# Allegro board nu_2000_main_211102_02.brd (continued)
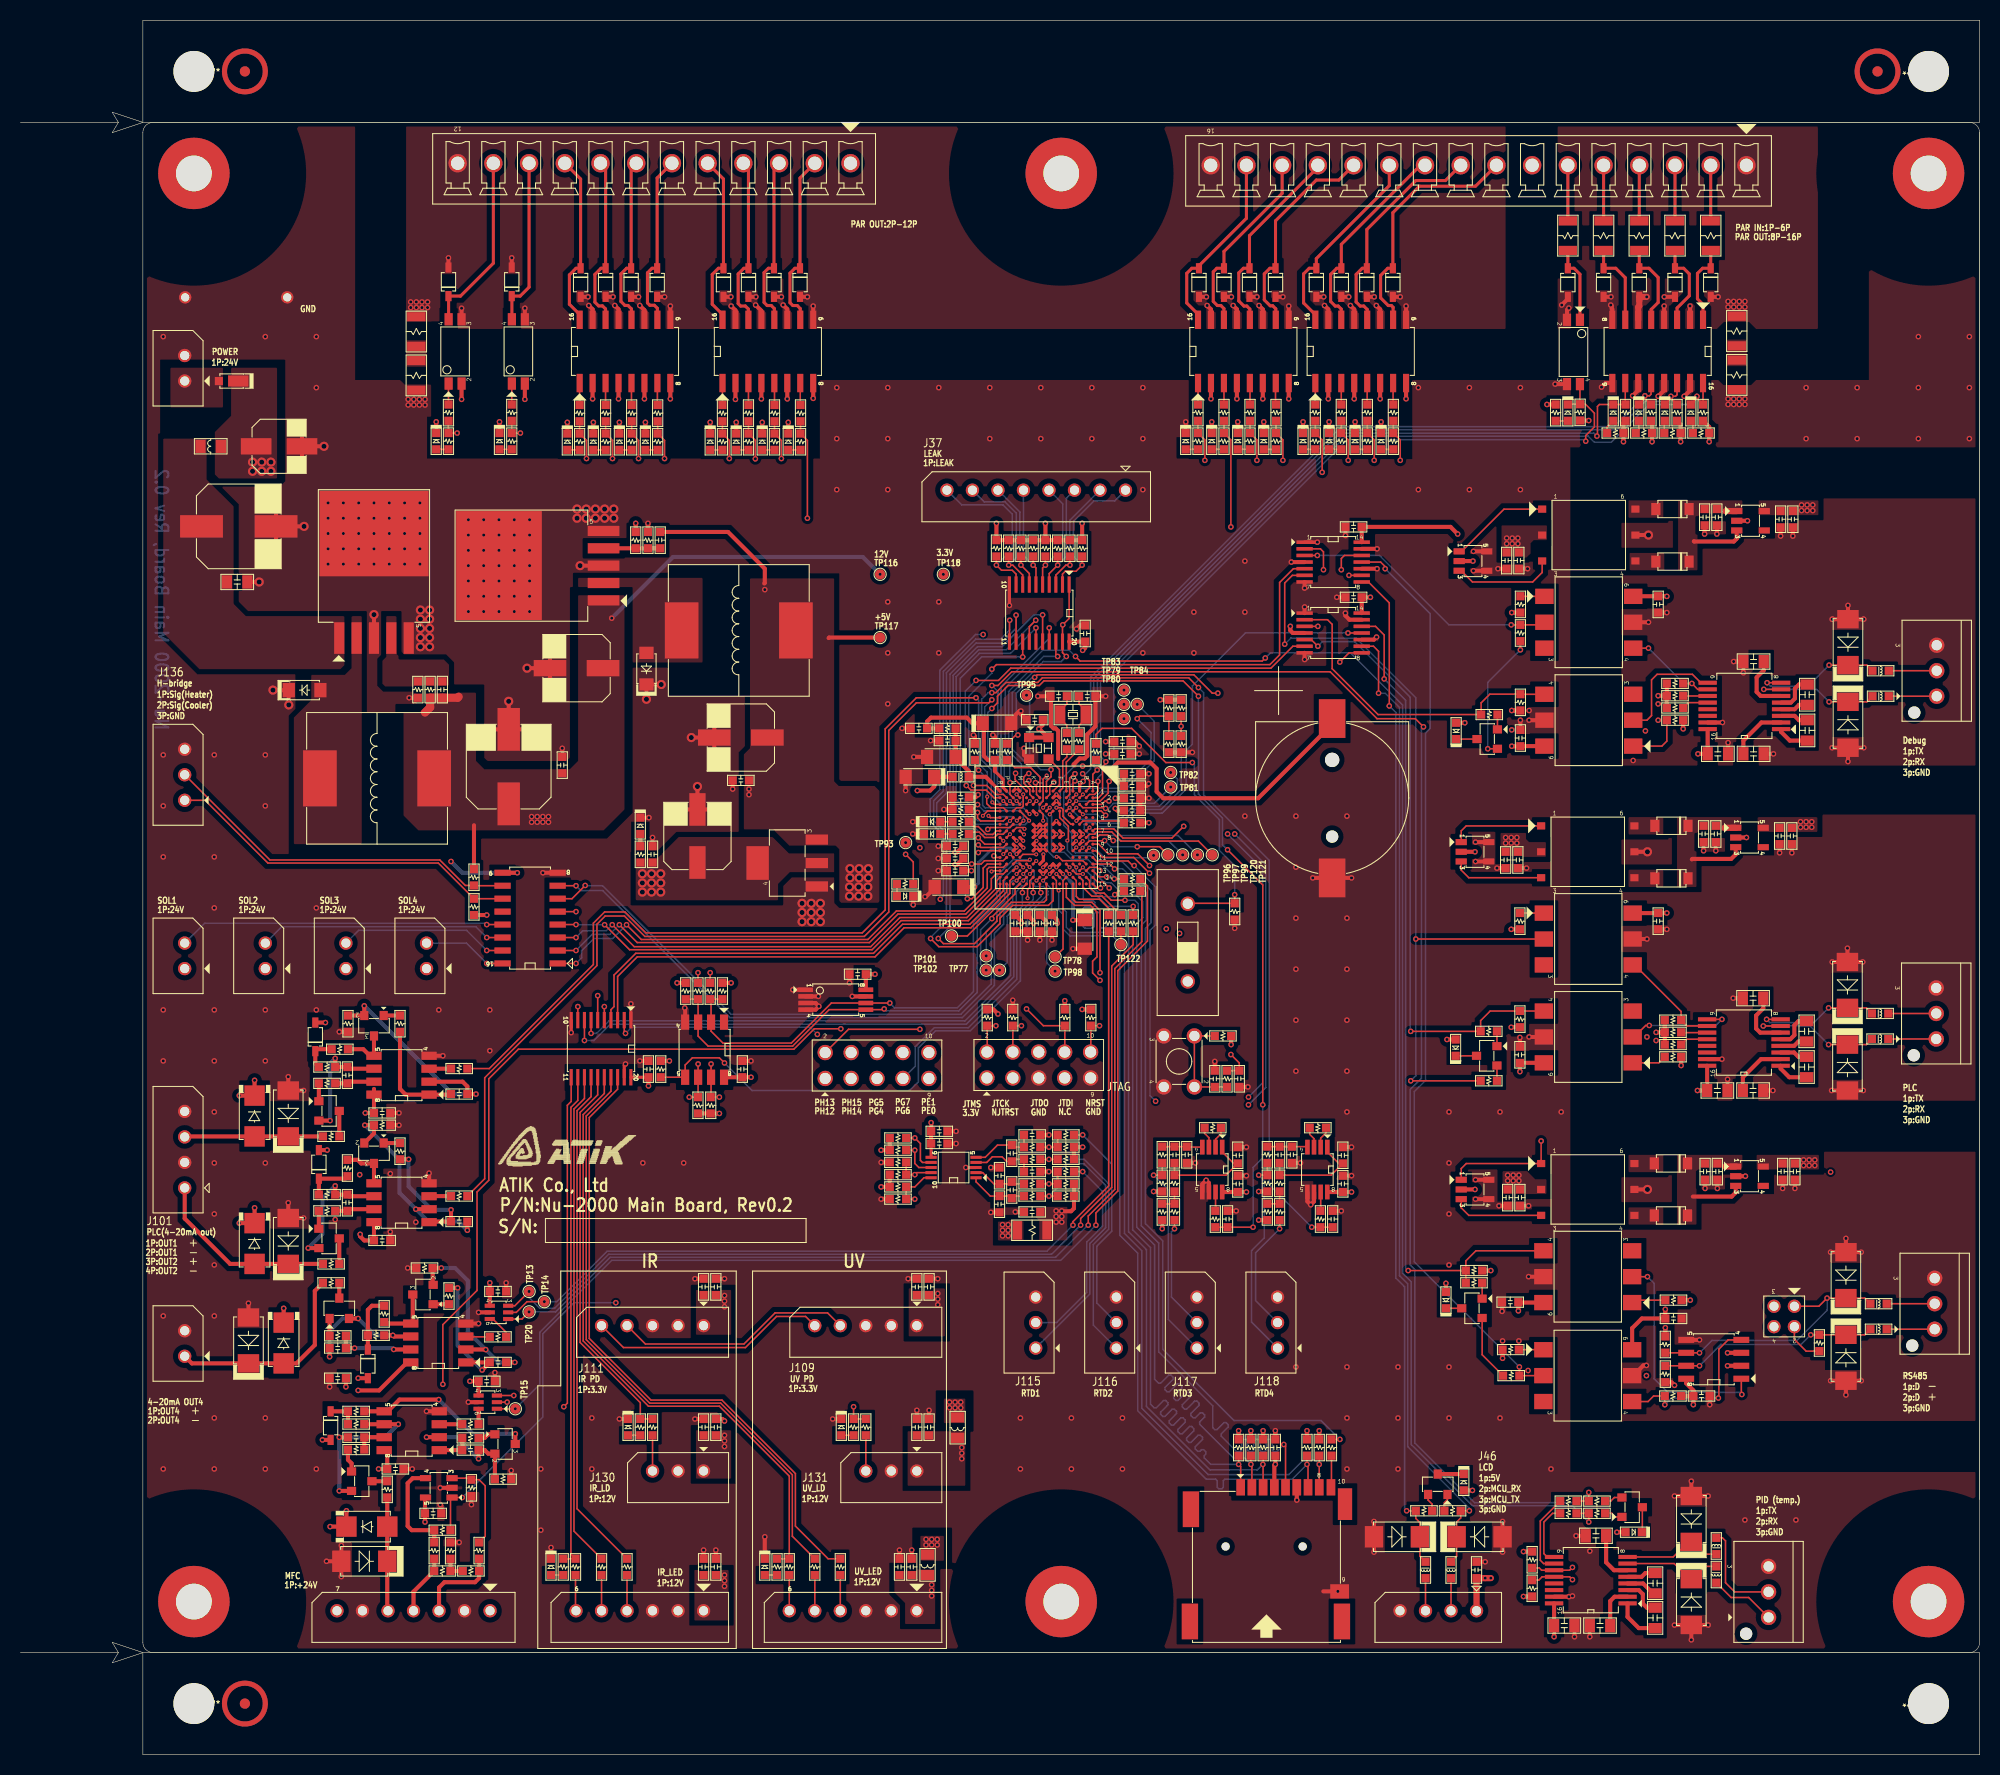
[diagram p0: board, top side]
## Routing (per net, layer and track width the routed paths; a pad name or vN(x,y) marks a point on that pad's centre or on a via; arc(x,y) is an arc through that point) (continued)
VDDA: length 8.9
  TOP w0.3: 95.15,95.3 U1.R1
  TOP w0.4: 95.15,95.3 94.6,95.85 L1.2 92.95,96.4 91.65,97.7 C11.1 C24.2 R12.1
B_PAR_IN_0: length 5.5
  TOP w0.3: R407.2 J52.2
B_PAR_IN_1: length 5.5
  TOP w0.3: R408.2 J52.3
B_PAR_IN_2: length 5.5
  TOP w0.3: R409.2 J52.4
B_PAR_IN_3: length 5.5
  TOP w0.3: R410.2 J52.5
B_PAR_IN_4: length 5.5
  TOP w0.3: R411.2 J52.6
B_PAR_IN_COM: length 12
  TOP w0.4: v1(151.05,142.1) 151.65,142.7 D125.1 ; U42.8 156,141.68 155.95,141.73 155.95,142 v1(155.85,142.1) ; U42.2 v1(163.62,142) ; U42.4 v1(161.09,142) ; v1(161.1,142.9) D122.1 ; v1(166.38,142.9) D121.1 ; v1(151.75,141.8) 151.56,141.62 U73.2 ; v1(155.88,142.9) D124.1
  TOP w0.6: v1(159.38,142.9) D123.1 158.65,142 158.54,141.9 U42.6
  vias: v1(167.35,142.45) v1(167.35,141.9) v1(167.9,142.45) v1(167.9,141.9) v1(168.45,142.45) v1(168.45,141.9) v1(169,142.45) v1(169,141.9)
B_PAR_OUT_0: length 24
  TOP w0.3: U45.10 134.53,141.88 134.35,142.05 134.05,142.05 133.3,142.8 133.3,145 134,145.7 D129.2 134.5,151.15 137.1,153.75 142.6,153.75 J52.8
B_PAR_OUT_1: length 22
  TOP w0.3: J52.9 139.65,154.3 136.75,154.3 131.95,149.5 D128.2 131.5,145.7 130.9,145.1 130.9,142.4 131.3,142 131.65,142 131.99,141.66 U45.12
B_PAR_OUT_2: length 20.1
  TOP w0.3: J52.10 137.2,155.8 129.45,148.05 D127.2 129,145.7 128.4,145.1 128.4,142.45 128.85,142 129.14,142 129.44,141.7 U45.14
B_PAR_OUT_3: length 19.5
  TOP w0.3: J52.11 134.15,153.8 127,146.65 D126.2 126.3,145.7 125.75,145.15 125.75,142.3 126.91,141.15 U45.16
B_PAR_OUT_4: length 21.7
  TOP w0.3: 123.03,139.97 U46.10 123.03,141.73 122.72,142.03 122.47,142.03 121.9,142.6 121.9,145.15 122.45,145.7 D133.2 123,150.35 127,154.35 129.2,154.35 J52.12
B_PAR_OUT_5: length 20
  TOP w0.3: 120.48,139.97 U46.12 120.48,141.7 120.19,142 119.9,142 119.4,142.5 119.4,145.25 119.85,145.7 D132.2 120.45,148.9 127.15,155.6 J52.13
B_PAR_OUT_6: length 19.7
  TOP w0.3: 117.94,139.97 U46.14 117.94,141.75 117.64,142.05 117.3,142.05 116.9,142.45 116.9,145.35 117.25,145.7 D131.2 117.95,147.35 123.65,153.05 J52.14
B_PAR_OUT_7: length 19.1
  TOP w0.3: J52.15 120.15,150.6 115.5,145.95 D130.2 114.8,145.7 114.3,145.2 114.3,142.3 115.41,141.19 U46.16 115.41,139.97
B_PAR_OUT_8: length 18
  TOP w0.3: J53.2 76.4,154.55 D137.2 75.9,145.7 75.42,145.22 75.42,142.33 75.7,142.05 76.12,142.05 76.42,141.75 U47.10 76.42,139.97
B_PAR_OUT_9: length 17.6
  TOP w0.3: 73.88,139.97 U47.12 73.88,141.75 73.59,142.05 73.18,142.05 72.88,142.35 72.88,145.28 73.3,145.7 D136.2 73.85,155.5 J53.3
B_PAR_OUT_10: length 17.6
  TOP w0.3: 71.34,139.97 U47.14 71.34,141.7 71.05,142 70.58,142 70.34,142.24 70.34,145.14 70.9,145.7 D135.2 71.35,155.5 J53.4
B_PAR_OUT_11: length 17.8
  TOP w0.3: J53.5 68.9,154.45 D134.2 68.4,145.7 67.8,145.1 67.8,142.18 68.81,141.17 U47.16 68.81,139.97
B_PAR_OUT_12: length 18
  TOP w0.3: 62.42,139.97 U48.10 62.42,141.78 62.12,142.08 61.68,142.08 61.45,142.31 61.45,145.25 61.9,145.7 D141.2 62.4,154.55 J53.6
B_PAR_OUT_13: length 17.5
  TOP w0.3: 59.88,139.97 U48.12 59.88,141.72 59.54,142.06 59.24,142.06 58.85,142.45 58.85,145.15 59.4,145.7 D140.2 59.85,155.5 J53.7
B_PAR_OUT_14: length 17.6
  TOP w0.3: J53.8 57.35,155.5 D139.2 56.9,145.7 56.3,145.1 56.3,142.38 56.66,142.01 57.05,142.01 57.34,141.71 U48.14 57.34,139.97
B_PAR_OUT_15: length 17.8
  TOP w0.3: 54.8,139.97 U48.16 54.8,141.17 53.8,142.18 53.8,145.05 54.45,145.7 D138.2 54.9,154.45 J53.9
B_PAR_OUT_16: length 16.5
  TOP w0.3: U123.4 48.16,142.96 D143.2 48.98,142.97 49.85,143.85 J53.10
B_PAR_OUT_17: length 17.8
  TOP w0.3: J53.11 46.35,146.2 43.12,142.97 D142.2 41.97,142.96 U122.4
B_PAR_OUT_COM: length 39.9
  TOP w0.4: 130.72,140.65 130.72,141.68 v1(130.34,142.05) ; v1(127.72,142.9) D126.1 ; v1(69.65,142) 70.08,141.57 U47.15 ; U47.9 v1(77.69,142) ; D135.1 v1(72.08,142.9) ; D136.1 v1(74.58,142.9) ; v1(127.8,142.05) 128.18,141.68 U45.15 ; U47.11 75.16,141.69 v1(74.75,142.1) ; 119.22,140.65 119.22,141.69 v1(118.85,142.05) ; U46.15 116.67,141.68 v1(116.3,142.05) ; v1(55.62,142.9) D138.1 ; 135.8,140.65 v1(135.8,142) ; v1(116.22,142.9) D130.1 ; D137.1 v1(77.12,142.9) ; U48.11 61.16,141.59 v1(60.7,142.05) ; v1(118.67,142.9) D131.1 ; v1(58.25,142.05) 58.62,141.69 U48.13 ; v1(72.05,142.1) 72.62,141.53 U47.13 ; U45.11 133.25,141.68 v1(132.88,142.05) ; D139.1 v1(58.08,142.9) ; U46.11 121.75,141.68 v1(121.38,142.05) ; D134.1 v1(69.62,142.9) ; D141.1 v1(63.12,142.9) ; v1(121.17,142.9) D132.1 ; D143.1 v1(48.15,146.72) ; D142.1 v1(41.95,146.72) ; U48.15 56.08,141.68 v1(55.7,142.05) ; 124.3,140.65 v1(124.3,142) ; U48.9 v1(63.7,142) ; 49.44,140.7 v1(49.44,141.78) ; v1(132.68,142.9) D128.1 ; U122.3 v1(43.23,141.78) ; v1(130.18,142.9) D127.1 ; v1(135.22,142.9) D129.1 ; D140.1 v1(60.58,142.9) ; v1(123.72,142.9) D133.1
  vias: v1(38.25,142.4) v1(38.25,141.85) v1(38.8,142.4) v1(38.8,141.85) v1(39.35,142.4) v1(39.35,141.85) v1(39.9,142.4) v1(39.9,141.85)
BOOT0: length 9.9
  TOP w0.15: v2(101.53,92.83) 102,92.83 102.17,92.65 102.17,91.97 102.95,91.2 U1.D6 ; v1(104.1,96.9) 104.8,96.9 R8.2
  BOTTOM w0.15: v2(101.53,92.83) 101.9,93.2 101.9,95.5 103.4,97 104,97 v1(104.1,96.9)
BOOT1: length 7.1
  TOP w0.15: R9.2 93.33,92.65 v1(93.8,93.12) ; U1.M6 v2(98.3,91.55)
  BOTTOM w0.15: v2(98.3,91.55) 98.3,92.2 98,92.5 94.42,92.5 v1(93.8,93.12)
BYPASS_REG: length 10.1
  TOP w0.15: U1.L4 v2(98.9,92.2) ; R7.1 93.55,96.85 v1(93.9,96.5)
  BOTTOM w0.15: v1(93.9,96.5) 94.3,96.1 94.3,93.05 94.55,92.8 98.3,92.8 v2(98.9,92.2)
C420_IN1_VTG: length 147.4
  TOP w0.15: v1(43.3,25.2) U78.1 42.15,25.05 R383.2 ; U1.L1 97.47,95.58 97.47,96.15 v1(97.53,96.2)
  L3-INT1 w0.15: v1(97.53,96.2) 97.53,97.08 94.35,100.25 v1(94.35,109.8) ; v1(90.15,83.85) 88.45,85.55 87.55,85.55 84.3,88.8 74.2,88.8 58.75,73.35 58.75,44.7 v1(58.35,44.3)
  BOTTOM w0.15: v1(90.15,83.85) 90.45,84.15 90.45,90.15 89.15,91.45 89.15,93.65 90.1,94.6 90.1,106.3 93.6,109.8 v1(94.35,109.8) ; v1(43.3,25.2) 51.2,33.1 51.2,41.25 54.25,44.3 v1(58.35,44.3)
C420_OUT1_VTG: length 108.3
  TOP w0.15: R223.1 45.5,56.45 45.5,66.35 56.5,77.35 56.5,81.4 57.3,82.2 59.2,82.2 61.2,80.2 82.7,80.2 85.1,82.6 85.1,100.4 87.8,103.1 94.9,103.1 v1(95.2,103.4) ; v2(98.28,94.12) 98.28,92.97 98.12,92.83 97.62,92.83 U1.N4
  BOTTOM w0.15: v1(95.2,103.4) 94.5,102.7 94.5,97.7 95.45,96.75 95.45,93.8 96.15,93.1 97.85,93.1 98.28,93.53 v2(98.28,94.12)
C420_OUT2_VTG: length 92.5
  TOP w0.15: R231.1 45.95,67.25 56.15,77.45 56.15,81.5 57.25,82.6 59.25,82.6 61.3,80.55 82.5,80.55 84.75,82.8 84.75,100.55 87.8,103.6 v1(93.65,103.6) ; U1.P4 96.33,92.83 95.1,92.83 94.7,93.22 94.7,93.85 v2(94.75,93.9)
  BOTTOM w0.15: v2(94.75,93.9) 94.75,96.3 93.9,97.15 93.9,103.35 v1(93.65,103.6)
E_STOP: length 11.4
  TOP w0.15: R35.1 v1(98.05,116.6) 98.88,115.78 U7.7
  BOTTOM w0.15: v1(98.05,116.6) 97.95,116.7 97.95,121.8 J37.6
FGND1: length 22.5
  TOP w0.4: U106.15 v1(166.8,101.17) ; C235.1 v1(172.5,119.45) ; C234.1 v1(166.25,119.65) ; D83.1 v1(177.55,98.7) ; D83.1 v1(180.65,98.7) ; D83.1 v1(179.1,97.35) ; C213.2 v1(167.35,99.2) ; D84.1 v1(180.6,111.3) v1(180.65,111.3) ; D84.1 v1(179.1,112.65) ; D84.1 v1(177.6,111.3) v1(177.55,111.3) ; C238.1 v1(161.35,111.95) ; v1(168.85,106.05) C214.1 v1(167.9,107.15) ; U111.2 v1(169.25,120.95) ; C236.1 v1(173.7,119.45) ; C237.1 v1(165.05,119.65) ; U112.5 v1(159.55,111) ; C215.1 v1(171.8,98.1) ; T1.5 v3(159.55,119.55)
  vias: v1(158.05,97.45) v1(159.25,100.35) v1(160.5,103) v1(160.5,101.4) v1(177.4,57.1)
FGND2: length 19.9
  TOP w0.4: D86.1 v1(177.55,77.7) ; D86.1 v1(179.05,79.05) ; D86.1 v1(180.55,77.7) ; U114.2 v1(169.15,89.9) ; C225.1 v1(167.85,74.15) ; U109.15 v1(166.75,68.17) ; C243.1 v1(161.35,80.9) ; C226.1 v1(171.75,65.1) ; C224.2 v1(167.3,66.2) ; C240.1 v1(164.95,88.6) ; C246.1 v1(173.6,88.4) ; v1(177.5,65.1) D85.1 v1(180.6,65.1) ; C241.1 v1(166.15,88.6) ; T2.5 v3(159.45,88.5) ; C242.1 v1(172.4,88.4) ; U116.5 v1(159.4,79.95)
  vias: v1(159.4,70.35) v1(160.3,70)
FGND3: length 19.4
  TOP w0.4: C251.1 v1(172.7,55.5) ; v1(162.1,36.2) 161.8,36.5 R430.1 ; C250.1 v1(173.9,55.5) ; C248.1 v1(165.1,55.5) ; D92.1 v1(178.9,35.25) ; D92.1 v1(180.4,36.65) ; D92.1 v1(177.4,36.65) ; T3.5 v3(159.45,55.4) ; D93.1 v1(180.4,49.25) ; D93.1 v1(178.9,50.6) ; D93.1 v1(177.4,49.25) ; C190.1 v1(165.55,34.3) ; v1(159.35,38.15) 159.05,38.15 158.05,37.15 U120.5 ; U118.2 v1(169.05,56.7) ; U86.5 v1(164.55,40.66) ; C249.1 v1(166.3,55.5)
H-BRIDGE_SIG1B: length 61.3
  TOP w0.15: U1.M14 v2(97.62,85.67) ; U14.6 54.05,83.91 v1(55.35,85.2)
  BOTTOM w0.15: v2(97.62,85.67) 97.28,85.67 96.75,85.15 96.75,83.45 96,82.7 96,81.5 95.13,80.63 95.13,75.53 92.17,72.57 69.65,72.57 57.04,85.17 55.35,85.17 v1(55.35,85.2)
H-BRIDGE_SIG2B: length 61.4
  TOP w0.15: U1.L14 v2(98.28,85.67) ; U14.7 v1(54.45,85.17)
  BOTTOM w0.15: v2(98.28,85.67) 98.17,85.67 97.25,84.75 97.25,83.45 96.35,82.55 96.35,81.4 95.45,80.5 95.45,75.4 92.3,72.25 69.52,72.25 57.07,84.7 54.92,84.7 v1(54.45,85.17)
I2C3_EN: length 58.6
  TOP w0.15: U1.L12 v2(98.9,87) ; v1(69,67.8) 68.5,68.3 65.85,68.3 65.15,67.59 U126.5 R484.2
  BOTTOM w0.15: v1(69,67.8) 71.7,65.1 87.15,65.1 88,65.95 88,69.28 89.67,70.95 93.1,70.95 98,75.85 98,80.55 98.7,81.25 98.7,82.3 100.7,84.3 100.7,84.65 100.25,85.1 99.45,85.1 99.05,85.5 99.05,85.8 99.35,86.1 99.35,86.55 v2(98.9,87)
I2C3_SCL: length 51
  TOP w0.15: R19.1 R491.2 67.69,73.97 U126.2 67.69,70.91 68.85,69.75 75.55,69.75 79.47,73.67 U3.6 v1(85.2,73.67) ; U1.N12 97.62,87.62 98.83,87.62 v2(98.92,87.72)
  BOTTOM w0.15: v1(85.2,73.67) 85.67,73.2 91.8,73.2 93.4,74.8 93.4,81.6 95.7,83.9 95.7,86.15 97.28,87.72 v2(98.92,87.72)
I2C3_SDA: length 50.6
  TOP w0.15: v2(98.28,86.97) U1.M12 ; R20.1 R492.2 66.41,74.03 U126.3 66.41,70.43 67.4,69.45 75.67,69.45 79.25,73.03 U3.5 84.58,73.03 v1(84.65,73.1)
  BOTTOM w0.15: v1(84.65,73.1) 84.85,72.9 91.95,72.9 93.75,74.7 93.75,81.5 96,83.75 96,86 97.4,87.4 97.85,87.4 v2(98.28,86.97)
IR_LD_ONOFF: length 56.2
  TOP w0.15: U125.9 v1(54.62,73.33) ; v2(94.33,92.03) 94.33,92.05 94.78,92.5 U1.R4
  L3-INT1 w0.15: v2(94.33,92.03) 94.35,92 94.35,87.15 93.35,86.15 87.9,86.15 84.65,89.4 73.8,89.4 58.2,73.8 55.1,73.8 v1(54.62,73.33)
IR_LED_CUR_SEL1: length 52.4
  TOP w0.15: U1.M7 98.3,90.2 v2(98.35,90.2) ; v1(56.58,74.4) 56.58,72
  L3-INT1 w0.15: v1(56.58,74.4) 58.3,74.4 73.6,89.7 84.8,89.7 85.6,88.9 v1(88.15,88.9)
  L4-INT2 w0.15: v1(88.15,88.9) 89.65,90.4 94.25,90.4 94.45,90.2 96.3,90.2 96.7,89.8 97.2,89.8 97.6,90.2 v2(98.35,90.2)
IR_LED_CUR_SEL2: length 54.4
  TOP w0.15: v1(98.2,84.5) 98.2,84.95 U1.L15 ; U125.7 v1(55.92,70.7)
  BOTTOM w0.15: v1(98.2,84.5) 98.2,83.2 97.03,82.03 97.03,76.38 92.57,71.92 57.67,71.92 56.45,70.7 v1(55.92,70.7)
IR_LED_ONOFF: length 56.6
  TOP w0.15: U1.K15 v1(99.25,84.5) ; v1(55.27,70) U125.8
  BOTTOM w0.15: v1(99.25,84.5) 99.25,83.8 97.35,81.9 97.35,76.25 92.7,71.6 57.8,71.6 56.2,70 v1(55.27,70)
LEAK: length 15.2
  TOP w0.15: R40.1 v1(104.05,116.6) 103.45,116 102.4,116 102.12,115.72 U7.2
  BOTTOM w0.15: J37.1 107.25,122.9 105.2,122.9 103.2,120.9 103.2,117.45 v1(104.05,116.6)
LED GR: length 3.7
  TOP w0.15: U1.R7 95.65,90.55 95.3,90.2 94.65,90.2 93.88,90.97 93.42,90.97 R10.1
LED_RED: length 4.3
  TOP w0.15: U1.P7 96.33,90.22 95.78,90.22 95.45,89.9 94.5,89.9 93.97,90.42 93.12,90.42 R11.1
LED_YL: length 15
  TOP w0.15: R255.1 87.5,87.5 v1(86.75,88.25) ; U1.N6 96.97,90.88 95.05,90.88 94.88,90.7 v1(94.8,90.7)
  L4-INT2 w0.15: v1(94.8,90.7) 89.2,90.7 v1(86.75,88.25)
MFC_ERROR: length 121
  TOP w0.15: U1.M13 v2(97.62,86.33) ; v1(41.4,36.3) 41.4,42.15 44.75,45.5 44.75,55.15 45.9,56.3 45.9,66.25 48.8,69.15 75.8,69.15 77.8,71.15 v1(80.4,71.15)
  L3-INT1 w0.15: J119.7 38.55,21.62 38.55,26.25 42,29.7 42,35.7 v1(41.4,36.3) ; v2(97.62,86.33) 96.83,86.33 94.4,83.9 94.4,80.95 85.65,72.2 81.45,72.2 v1(80.4,71.15)
Net_17:
  vias: v1(159.35,37.15)
Net_20: length 1.7
  TOP w0.15: 97.95,87.95 98.25,88.25 v2(99.55,88.25)
Net_26: length 0.5
  TOP w0.15: 103.15,88.6 v2(103.47,88.92)
Net_489: length 1.8
  TOP w0.15: 52.65,82.64 v1(54.45,82.64)
NRST: length 85.3
  TOP w0.15: v1(117.35,104.05) 116.8,104.05 115,105.85 99.65,105.85 v1(99.4,105.6) ; v1(97.75,99.95) 97.55,99.95 R3.1 ; J34.10 104.9,68.89 R23.1 v1(105.75,71.45) ; R4.1 C2.2 119.45,67.8 v1(118.62,68.62)
  L3-INT1 w0.15: v1(118.62,68.62) 108.58,68.62 v1(105.75,71.45) 105.2,72 105.2,77.3 111.5,83.6 111.5,90.3 117.35,96.15 v1(117.35,104.05)
  BOTTOM w0.15: v1(99.4,105.6) 99.15,105.6 97.6,104.05 97.6,100.1 v1(97.75,99.95)
PAR_IN0: length 87
  TOP w0.15: U1.A2 105.65,93.8 106.05,94.2 106.05,96.85 106.38,97.17 v1(106.38,97.33) ; 164.9,134.45 164.9,134.44 R85.1 164.3,132.95 ; 164.3,132.95 D157.2 ; 164.3,132.95 v1(164.3,133.15)
  BOTTOM w0.15: v1(106.38,97.33) 105.85,97.85 105.85,105.2 129.9,129.25 153.65,129.25 154.25,128.65 155.9,128.65 159.6,132.35 163.5,132.35 v1(164.3,133.15)
PAR_IN1: length 83.1
  TOP w0.15: 161.75,132.95 R86.1 ; 161.75,132.95 D158.2 ; 161.75,132.95 v1(161.75,133.15) 162.2,133.15 162.35,133.3 162.35,134.44 U42.14 ; U1.A1 105.1,96.1 v1(105.53,96.53)
  BOTTOM w0.15: v1(161.75,133.15) 161.25,132.65 159.25,132.65 156.45,129.85 129.58,129.85 105.2,105.47 105.2,96.85 v1(105.53,96.53)
PAR_IN2: length 81.5
  TOP w0.15: U1.B1 104.78,94.78 104.78,95.47 v1(104.1,96.15) ; 159.2,132.95 v1(159.2,133.2) 159.65,133.2 159.8,133.35 159.8,134.33 159.81,134.35 U42.12 ; 159.2,132.95 R87.1 ; 159.2,132.95 D159.2
  BOTTOM w0.15: v1(159.2,133.2) 156.18,130.18 129.45,130.18 104.88,105.6 104.88,96.62 104.4,96.15 v1(104.1,96.15)
PAR_IN3: length 79.6
  TOP w0.15: v1(105.6,95.4) 105.6,94.45 105.28,94.12 104.78,94.12 U1.B2 ; v1(154.5,129.25) 154.55,129.3 154.55,132.15 154.75,132.35 D160.2 R88.1 157.28,132.38 157.28,134.45
  BOTTOM w0.15: v1(154.5,129.25) 154.2,129.55 129.75,129.55 105.55,105.35 105.55,97.3 106,96.85 106,96.15 105.6,95.75 v1(105.6,95.4)
PAR_IN4: length 78.4
  TOP w0.15: D161.2 151.68,132.38 R171.1 ; R171.1 153.38,132.38 154.25,131.5 154.25,130.15 153.4,129.3 v1(153.4,128.75) ; R171.1 152.84,132.39 152.84,134.35 ; U1.B3 104.78,93.47 105.83,93.47 106.6,94.25 106.6,95.3 v1(106.7,95.4)
  BOTTOM w0.15: v1(153.4,128.75) 153.25,128.9 130.05,128.9 107.15,106 107.15,96.3 106.7,95.85 v1(106.7,95.4)
PAR_OUT0: length 76.8
  TOP w0.15: R188.1 R503.2 135.22,128.88 v1(135.22,126.88) ; U1.R8 v2(96.33,89.58)
  L3-INT1 w0.15: v1(135.22,126.88) 134.65,127.45 131.65,127.45 129.3,125.1 122.1,125.1 110.85,113.85 96.3,113.85 92.53,110.08 92.53,96.88 94.35,95.05 94.35,93.7 95.9,92.15 95.9,90 v2(96.33,89.58)
PAR_OUT1: length 72.9
  TOP w0.15: U1.P8 v2(96.97,90.22) ; R180.1 R504.2 132.68,128.88 v1(132.68,126.88)
  L3-INT1 w0.15: v2(96.97,90.22) 96.2,91 96.2,92.3 95.65,92.85 95.65,96.7 92.83,99.53 92.83,109.92 96.45,113.55 111.05,113.55 122.25,124.75 129.45,124.75 131.57,126.88 v1(132.68,126.88)
PAR_OUT2: length 75.5
  TOP w0.15: R178.1 R505.2 130.12,128.88 v1(130.12,126.88) ; v1(93.88,89.17) 94.12,88.92 96.33,88.92 U1.P9
  L3-INT1 w0.15: v1(130.12,126.88) 129.25,127.75 123.35,127.75 110.35,114.75 95.85,114.75 91.6,110.5 91.6,91.45 v1(93.88,89.17)
PAR_OUT3: length 72.5
  TOP w0.15: U1.R9 94.5,89.25 v1(93.88,89.88) ; R176.1 R506.2 127.58,128.88 v1(127.58,125.7)
  L3-INT1 w0.15: v1(93.88,89.88) 91.9,91.85 91.9,110.35 96,114.45 110.55,114.45 123.55,127.45 125.83,127.45 v1(127.58,125.7)
PAR_OUT4: length 67.2
  TOP w0.15: v1(123.72,126.88) 123.72,128.88 R507.2 R198.1 ; U1.P10 v2(96.33,88.28)
  L3-INT1 w0.15: v2(96.33,88.28) 95.6,89 95.6,92 94,93.6 93.1,93.6 92.2,94.5 92.2,110.2 96.15,114.15 110.7,114.15 123.42,126.88 v1(123.72,126.88)
PAR_OUT5: length 66.7
  TOP w0.15: U1.R10 94.05,88.6 v1(93.88,88.42) ; v1(121.17,126.88) 121.17,128.88 R508.2 R193.1
  L3-INT1 w0.15: v1(93.88,88.42) 91.3,91 91.3,110.65 95.7,115.05 110.15,115.05 121.17,126.08 v1(121.17,126.88)
PAR_OUT6: length 64.4
  TOP w0.15: U1.N11 v2(96.97,88.28) ; R191.1 R509.2 118.62,128.88 v1(118.62,120.35)
  L3-INT1 w0.15: v2(96.97,88.28) 96.97,89.55 97.35,89.92 97.35,90.5 96.5,91.35 96.5,92.45 95.95,93 95.95,98.2 93.15,101 93.15,109.8 96.6,113.25 111.2,113.25 118.3,120.35 v1(118.62,120.35)
PAR_OUT7: length 67.2
  TOP w0.15: U1.P11 96.33,87.62 94.47,87.62 94.15,87.3 v1(93.22,87.3) ; v1(116.08,126.88) 116.08,128.88 R510.2 R189.1
  L3-INT1 w0.15: v1(116.08,126.88) 115.95,126.75 115.95,121.3 110,115.35 95.5,115.35 91,110.85 91,90 93.22,87.78 v1(93.22,87.3)
PAR_OUT8: length 77.5
  TOP w0.15: v1(77.12,121.2) 77.12,128.82 R511.2 R206.1 ; U1.R11 95.55,87.95 v1(95.4,88.1)
  L4-INT2 w0.15: v1(95.4,88.1) 95.7,87.8 97.9,87.8 98.8,88.7 98.8,90.75 99.95,91.9 99.95,92.5 99.8,92.65 98.85,92.65 98.5,93 98.5,93.8 98.7,94 98.7,94.35 98.05,95 98.05,97.6 100.25,99.8 100.25,103.45 105.52,108.72 105.52,116.41 104.66,117.27 81.38,117.27 77.45,121.2 v1(77.12,121.2)
PAR_OUT9: length 68
  TOP w0.15: U1.E2 102.83,94.12 102.83,95.72 103.25,96.15 v1(103.35,96.15) ; R201.1 R512.2 74.58,128.82 v1(74.58,127.05)
  L4-INT2 w0.15: v1(103.35,96.15) 103.4,96.2 103.4,102.5 108.4,107.5 108.4,117.6 105.85,120.15 82.55,120.15 76.45,126.25 75.37,126.25 v1(74.58,127.05)
PAR_OUT10: length 72.3
  TOP w0.15: U1.H3 v2(100.22,92.83) ; v1(72.03,127.03) 72.03,128.82 R513.2 R200.1
  L4-INT2 w0.15: v2(100.22,92.83) 100.88,93.47 100.88,94.03 102,95.15 102,95.5 103.05,96.55 103.05,102.6 108.08,107.63 108.08,117.47 105.72,119.83 82.42,119.83 76.32,125.93 73.12,125.93 v1(72.03,127.03)
PAR_OUT11: length 72.8
  TOP w0.15: U1.H2 100.88,94.12 100.88,94.92 v1(101.28,95.33) ; v1(69.47,127.05) 69.47,128.82 R514.2 R199.1
  L4-INT2 w0.15: v1(101.28,95.33) 102.75,96.8 102.75,102.75 107.77,107.77 107.77,117.34 105.59,119.51 82.29,119.51 76.18,125.62 70.91,125.62 v1(69.47,127.05)
PAR_OUT12: length 78.1
  TOP w0.15: U1.J2 99.58,94.12 99.58,95.17 v1(99.47,95.28) ; R214.1 R515.2 63.12,128.82 v1(63.12,127.05)
  L4-INT2 w0.15: v1(63.12,127.05) 63.52,127.05 65.95,124.63 75.8,124.63 81.9,118.52 105.18,118.52 106.78,116.93 106.78,108.18 101.6,103 101.6,99 100,97.4 100,95.75 99.53,95.28 v1(99.47,95.28)
PAR_OUT13: length 82.1
  TOP w0.15: U1.J3 100.22,93.47 100.22,95.62 v2(100.58,95.97) ; R209.1 R516.2 60.58,128.82 v1(60.58,127.05)
  L4-INT2 w0.15: v1(60.58,127.05) 61.08,127.55 63.5,127.55 66.07,124.98 75.94,124.98 82.05,118.88 105.33,118.88 107.13,117.07 107.13,108.03 102.05,102.95 102.05,98.9 100.35,97.2 100.35,96.2 v2(100.58,95.97)
PAR_OUT14: length 85.5
  TOP w0.15: U1.K3 v2(99.58,93.47) ; v1(58.02,127.05) 58.02,128.82 R517.2 R208.1
  L4-INT2 w0.15: v2(99.58,93.47) 99.58,94.33 102.4,97.15 102.4,102.85 107.45,107.9 107.45,117.2 105.46,119.2 82.18,119.2 76.07,125.3 66.2,125.3 63.65,127.85 58.83,127.85 v1(58.02,127.05)
PAR_OUT15: length 85.5
  TOP w0.15: v1(55.48,127.05) 55.48,128.82 R518.2 R207.1 ; U1.K2 98.92,94.12 98.92,94.62 98.33,95.22 98.33,95.83 98.67,96.17 v1(98.83,96.17)
  L4-INT2 w0.15: v1(55.48,127.05) 56.36,126.17 63.43,126.17 65.61,123.99 75.53,123.99 81.64,117.89 104.91,117.89 106.14,116.66 106.14,108.44 100.96,103.25 100.96,99.61 98.83,97.47 v1(98.83,96.17)
PAR_OUT16: length 90.5
  TOP w0.15: R216.1 R519.2 v1(49,129.55) ; U1.K1 99.25,94.75 98.83,95.17 v1(98.83,95.47)
  L4-INT2 w0.15: v1(98.83,95.47) 99.35,96 99.35,97.4 101.3,99.35 101.3,103.15 106.46,108.31 106.46,116.79 105.05,118.21 81.77,118.21 75.66,124.31 65.74,124.31 63.56,126.49 56.81,126.49 55.7,127.6 50.95,127.6 v1(49,129.55)
PAR_OUT17: length 97.4
  TOP w0.15: U1.L3 v2(98.92,93.47) ; v1(42.8,129.55) R520.2 R215.1
  L4-INT2 w0.15: v2(98.92,93.47) 99.05,93.6 99.05,94.5 98.35,95.2 98.35,97.45 100.6,99.7 100.6,103.35 105.82,108.57 105.82,116.53 104.78,117.57 81.5,117.57 75.4,123.67 65.48,123.67 63.3,125.85 55.9,125.85 54.55,127.2 50.6,127.2 48.25,129.55 v1(42.8,129.55)
PDR_ON: length 4.6
  TOP w0.15: R5.2 107.97,91.53 104.12,91.53 U1.C6
PT100_IN3: length 91.5
  TOP w0.15: v1(120.8,51.7) C143.2 R345.1 ; v1(115.45,103.75) 113.95,105.25 100.3,105.25 99.85,104.8 96.8,104.8 95.75,103.75 95.75,103.1 v1(95.2,102.55) ; v1(118.3,88.7) 121.75,85.25 v1(121.75,63.7) ; U1.P3 v2(96.33,93.47)
  BOTTOM w0.15: v1(118.3,88.7) 117.8,89.2 117.8,91.8 115.45,94.15 v1(115.45,103.75) ; v1(120.8,51.7) 120.8,57.55 121.75,58.5 v1(121.75,63.7) ; v1(95.2,102.55) 94.8,102.15 94.8,97.85 95.75,96.9 95.75,94.05 v2(96.33,93.47)
PT100_IN4: length 93.4
  TOP w0.15: U1.R3 95.45,93.15 v2(95.25,93.35) ; C145.2 R351.1 v1(126.55,51.7) ; v1(95.2,104.1) 95.6,104.1 96.6,105.1 99.7,105.1 100.15,105.55 114.5,105.55 v1(115.45,104.6)
  BOTTOM w0.15: v1(126.55,51.7) 122.37,55.88 122.37,87.68 115.95,94.1 115.95,104.1 v1(115.45,104.6) ; v2(95.25,93.35) 95.15,93.45 95.15,96.55 94.2,97.5 94.2,103.45 94.85,104.1 v1(95.2,104.1)
RD_E_STOP: length 26
  TOP w0.15: U1.P5 96.33,91.53 94.1,91.53 93.8,91.83 v1(93.8,92.35) ; U7.13 v1(98.22,107.6)
  BOTTOM w0.15: v1(93.8,92.35) 92.1,94.05 92.1,105.5 94.2,107.6 v1(98.22,107.6)
RD_ENB: length 35.8
  TOP w0.15: v2(101.55,88) 101.75,88 102.12,87.62 104.12,87.62 U1.B12 ; 102.78,114.7 102.78,111.38 v1(102.15,110.75) 102.12,110.72 U7.19 102.12,108.03 v1(102.5,107.65)
  BOTTOM w0.15: v2(101.55,88) 101.25,88 100.65,88.6 100.65,91.75 99.85,92.55 99.85,93.2 100.2,93.55 100.2,95.55 97.2,98.55 97.2,104.1 100.25,107.15 102,107.15 v1(102.5,107.65)
RD_LEAK: length 19
  TOP w0.15: U7.18 101.47,107.83 v1(101.65,107.65) ; U1.M2 v2(97.62,94.12)
  BOTTOM w0.15: v2(97.62,94.12) 98.1,94.6 98.1,97.1 96.85,98.35 96.85,104.22 100.28,107.65 v1(101.65,107.65)
RD_RSVD1: length 21.4
  TOP w0.15: U7.17 v1(100.83,110.45) ; U1.M3 v2(97.62,93.47)
  BOTTOM w0.15: v2(97.62,93.47) 96.4,94.7 96.4,97.75 96.1,98.05 96.1,104.7 100.83,109.42 v1(100.83,110.45)
RD_RSVD2: length 37.6
  TOP w0.15: U1.M4 98.75,91.7 98.75,91.65 v2(98.85,91.55) ; U7.16 v1(100.17,111.72)
  BOTTOM w0.15: v1(100.17,111.72) 99.33,111.72 96.21,108.61 93.79,108.61 91.1,105.91 91.1,93.3 94.2,90.2 96.2,90.2 97.15,91.15 98.45,91.15 v2(98.85,91.55)
RD_RSVD3: length 30.7
  TOP w0.15: U7.15 v1(99.53,110.45) ; U1.M5 v2(97.65,91.55)
  BOTTOM w0.15: v2(97.65,91.55) 97.25,91.95 95.95,91.95 95.55,91.55 93.81,91.55 91.7,93.66 91.7,105.67 93.98,107.95 97.03,107.95 v1(99.53,110.45)
RD_RSVD4: length 32.1
  TOP w0.15: U1.N5 v2(96.97,91.53) ; U7.14 98.88,110.58 v1(99.5,111.2)
  BOTTOM w0.15: v2(96.97,91.53) 96.92,91.53 96.6,91.2 93.65,91.2 91.4,93.45 91.4,105.79 93.91,108.3 96.59,108.3 v1(99.5,111.2)
RD_RSVD5: length 54.4
  TOP w0.15: U1.H15 100.55,83.8 100.3,83.55 97.1,83.55 95.7,82.15 95.7,81.7 93.5,79.5 90.45,79.5 v1(89.95,80) ; 97.58,109.1 v1(97.58,111.7)
  BOTTOM w0.15: v1(97.58,111.7) 97.58,110.42 96.1,108.95 93.64,108.95 ; v1(89.95,80) 91.1,81.15 91.1,90.55 89.8,91.85 89.8,93.3 90.75,94.25 90.75,106.06 93.64,108.95 ; 93.64,108.95 93.65,108.95
RD_RSVD6: length 55.1
  TOP w0.15: U7.11 96.92,111.17 v1(96.95,111.2) ; v1(89.2,80) 90,79.2 93.75,79.2 96,81.45 96,82 97.25,83.25 100.75,83.25 101.2,83.7 U1.G15
  BOTTOM w0.15: v1(89.2,80) 89.2,80.1 90.75,81.65 90.75,90.3 89.5,91.55 89.5,93.5 90.45,94.45 90.45,106.18 93.62,109.35 96.05,109.35 96.95,110.25 v1(96.95,111.2)
RS232_RX1: length 55.6
  TOP w0.15: U88.3 v1(127.15,110.6) ; v1(105.8,76.65) 105.8,82.75 105,83.55 103.45,83.55 103.15,83.85 U1.D15
  L3-INT1 w0.15: v1(105.8,76.65) 105.8,77.45 111.8,83.45 111.8,90.05 128.15,106.4 128.15,109.6 v1(127.15,110.6)
RS232_RX1_5V: length 31.4
  TOP w0.15: U88.2 128.1,111.25 128.55,110.8 128.55,106.45 133.05,101.95 R364.2 143.15,103.1 144,103.95 R463.2 147.01,103.94 U113.4
RS232_RX2: length 48.2
  TOP w0.15: U88.6 124.7,108.65 122.55,106.5 97.05,106.5 95.85,105.3 v1(93.65,105.3) ; U1.R2 95.4,93.8 94.65,94.55 93.15,94.55 v1(92.7,95)
  BOTTOM w0.15: v1(92.7,95) 92.6,95.1 92.6,104.25 v1(93.65,105.3)
RS232_RX2_5V: length 60.3
  TOP w0.15: v1(136.25,70.9) R368.2 143.1,71.95 144.04,72.89 146.96,72.89 ; U117.4 146.96,72.89 ; 146.96,72.89 R469.2 ; v1(127.15,108.65) 126.5,109.3 U88.5
  BOTTOM w0.15: v1(127.15,108.65) 127.6,109.1 130.75,109.1 136.2,103.65 136.2,70.95 v1(136.25,70.9)
RS232_RX3: length 56
  TOP w0.15: U1.R13 95.25,86.65 v2(95.17,86.58) ; U88.8 130.2,108 v1(129.3,107.1)
  L3-INT1 w0.15: v1(112.3,80.95) 112.4,81.05 112.4,88.65 129.3,105.55 v1(129.3,107.1)
  L4-INT2 w0.15: v2(95.17,86.58) 96.6,85.15 103,85.15 107.2,80.95 v1(112.3,80.95)
RS232_RX3_5V: length 96.4
  TOP w0.15: v1(142,23.9) R356.2 141.15,23.2 140.75,22.8 D87.2 140.75,19.45 L13.1 ; U88.9 132.6,108.65 133.1,108.15 v1(133.1,104.05)
  BOTTOM w0.15: v1(142,23.9) 142,24.15 135.95,30.2 135.95,46.15 135.15,46.95 135.15,102.65 133.75,104.05 v1(133.1,104.05)
RS232_RX4: length 149.9
  TOP w0.15: v1(122,107.5) 121.7,107.2 103.85,107.2 v1(103.4,107.65) ; R48.1 R360.2 v1(153.7,22.8) ; U1.N2 96.97,94.12 v1(96.97,95.28)
  BOTTOM w0.15: v1(103.4,107.65) 102.8,108.25 100.2,108.25 96.5,104.55 96.5,98.2 96.97,97.72 v1(96.97,95.28) ; v1(153.7,22.8) 152.1,24.4 142.3,24.4 136.3,30.4 136.3,46.35 135.45,47.2 135.45,102.9 130.35,108 122.5,108 v1(122,107.5)
RS232_TX1: length 65.7
  TOP w0.15: v1(105.8,75.9) 105.08,76.62 105.08,77.78 105.5,78.2 105.5,82.6 104.85,83.25 103.3,83.25 102.5,84.05 U1.E15 ; v1(127.7,116.15) 127.7,117.9 127.4,118.2 U87.2
  L3-INT1 w0.15: v1(105.8,75.9) 106.3,76.4 106.3,77.45 112.1,83.25 112.1,89.86 128.45,106.21 128.45,109.8 127.7,110.55 v1(127.7,116.15)